# KiCad board main_MagicAlonso-rounded.kicad_pcb (continued)
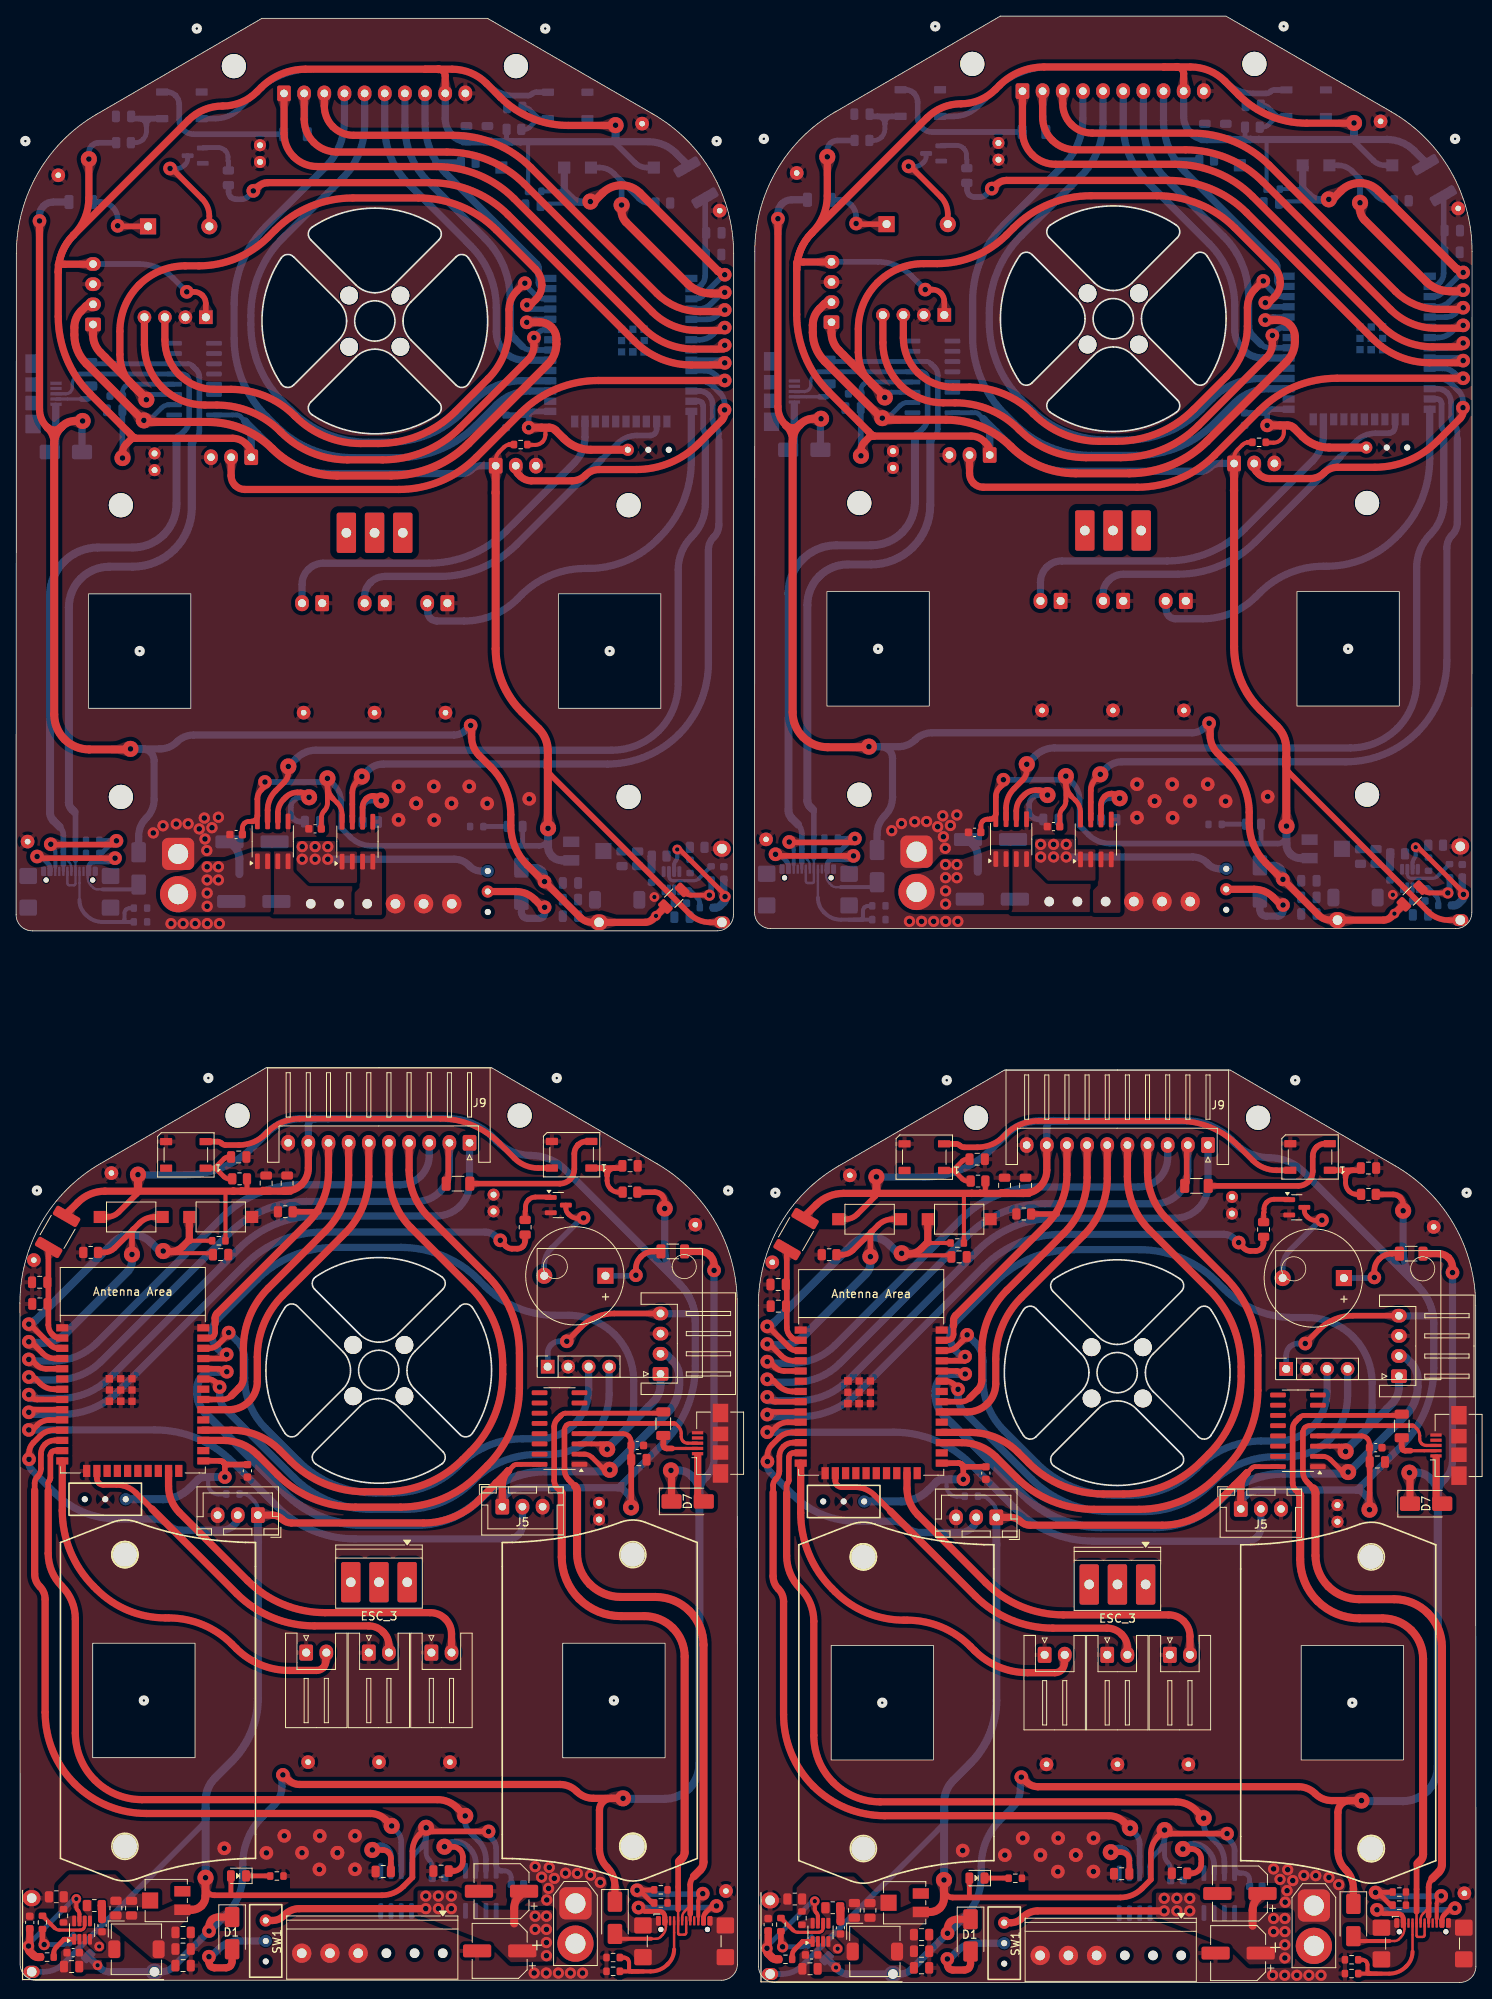
[diagram p0: board, top side]
## Routing (per net, layer and track width the routed paths; a pad name or vN(x,y) marks a point on that pad's centre or on a via; arc(x,y) is an arc through that point) (continued)
/SCL: length 272.8
  Top w0.7: v1(118,80.38) 118,80.29 arc(117.98,80.21) 117.94,80.14 116.72,78.92 arc(116.18,78.56) 115.54,78.43 U1.36 ; U1#2.36 23.91,78.71 arc(24.55,78.83) 25.09,79.2 26.31,80.42 arc(26.36,80.48) 26.37,80.57 v1(26.37,80.65)
  Top w0.9: J2#3.3 110.08,204.12 arc(110.55,201.77) 111.88,199.79 arc(113.87,198.46) 116.21,197.99 118.29,197.99 arc(122.55,197.14) 126.16,194.73 126.26,194.63 arc(129.99,192.14) 134.38,191.27 136.51,191.27 arc(141.72,192.3) 146.13,195.25 150.18,199.3 arc(152.1,202.17) 152.77,205.56 152.77,207.84 arc(153.03,209.12) 153.75,210.19 154.71,211.15 arc(154.72,211.16) 154.73,211.17 v1(154.75,211.17) ; 18.46,206.66 18.46,203.84 arc(18.93,201.5) 20.26,199.51 arc(22.24,198.18) 24.59,197.71 26.66,197.71 arc(30.92,196.86) 34.54,194.45 34.64,194.35 arc(38.36,191.86) 42.76,190.99 44.89,190.99 arc(50.1,192.02) 54.51,194.97 58.56,199.02 arc(60.48,201.89) 61.15,205.28 61.15,207.57 arc(61.4,208.84) 62.12,209.91 63.08,210.88 arc(63.1,210.88) 63.11,210.89 v1(63.12,210.89)
  Bottom w0.7: U1#3.36 65.59,208.94 arc(64.95,209.07) 64.41,209.43 63.19,210.65 arc(63.14,210.72) 63.12,210.8 v1(63.12,210.89) ; U1#4.36 157.21,209.22 arc(156.57,209.35) 156.03,209.71 154.81,210.93 arc(154.76,211) 154.75,211.08 v1(154.75,211.17)
  Bottom w0.9: J2#2.3 162.66,73.33 arc(162.2,70.98) 160.87,69 arc(158.88,67.67) 156.54,67.2 154.46,67.2 arc(150.2,66.35) 146.59,63.94 146.49,63.84 arc(142.76,61.35) 138.37,60.47 136.23,60.47 arc(131.03,61.51) 126.61,64.46 122.57,68.51 arc(120.65,71.38) 119.97,74.76 119.97,77.05 arc(119.72,78.33) 119,79.4 118.04,80.36 arc(118.03,80.37) 118.01,80.38 v1(118,80.38) ; J2.3 71.04,73.61 arc(70.57,71.26) 69.24,69.27 arc(67.26,67.94) 64.91,67.48 62.84,67.48 arc(58.58,66.63) 54.96,64.22 54.86,64.12 arc(51.14,61.63) 46.74,60.75 44.61,60.75 arc(39.4,61.79) 34.99,64.74 30.94,68.79 arc(29.02,71.66) 28.35,75.04 28.35,77.33 arc(28.1,78.6) 27.38,79.68 26.42,80.64 arc(26.4,80.65) 26.39,80.65 v1(26.37,80.65)
/SDA: length 268.3
  Top w0.7: v1(25.25,73.9) 25.25,73.94 arc(25.24,73.98) 25.22,74.02 24.73,74.5 arc(24.3,74.8) 23.78,74.9 U1#2.33 ; v1(116.87,73.62) 116.87,73.66 arc(116.87,73.71) 116.84,73.74 116.36,74.23 arc(115.92,74.52) 115.41,74.62 U1.33
  Top w0.9: J2#3.4 107.54,203.52 arc(108.11,200.66) 109.73,198.23 arc(112.16,196.61) 115.02,196.04 116.52,196.04 arc(120.77,195.19) 124.38,192.79 124.52,192.64 arc(128.29,190.12) 132.73,189.24 137.09,189.24 arc(142.29,190.28) 146.71,193.22 155.16,201.68 arc(155.69,202.47) 155.87,203.4 v1(155.87,204.41) ; 15.92,206.66 15.92,203.24 arc(16.49,200.38) 18.11,197.95 arc(20.54,196.33) 23.4,195.76 24.9,195.76 arc(29.15,194.92) 32.75,192.51 32.9,192.36 arc(36.67,189.85) 41.11,188.96 45.47,188.96 arc(50.67,190) 55.08,192.95 63.54,201.4 arc(64.06,202.19) 64.25,203.12 v1(64.25,204.13)
  Bottom w0.7: v1(155.87,204.41) 155.87,204.46 arc(155.88,204.5) 155.91,204.53 156.39,205.02 arc(156.83,205.31) 157.34,205.41 U1#4.33 ; 66.28,205.13 65.72,205.13 arc(65.2,205.03) 64.77,204.74 64.28,204.25 arc(64.26,204.22) 64.25,204.18 v1(64.25,204.13)
  Bottom w0.9: J2.4 73.58,73.01 arc(73.01,70.14) 71.39,67.72 arc(68.96,66.1) 66.1,65.53 64.6,65.53 arc(60.35,64.68) 56.75,62.28 56.6,62.13 arc(52.83,59.61) 48.39,58.73 44.03,58.73 arc(38.83,59.76) 34.42,62.71 25.96,71.16 arc(25.44,71.95) 25.25,72.89 v1(25.25,73.9) ; v1(116.87,73.62) 116.87,72.61 arc(117.06,71.68) 117.59,70.89 126.04,62.43 arc(130.45,59.49) 135.66,58.45 140.02,58.45 arc(144.46,59.33) 148.22,61.85 148.37,62 arc(151.97,64.4) 156.22,65.25 157.73,65.25 arc(160.59,65.82) 163.01,67.44 arc(164.63,69.87) 165.2,72.73 J2#2.4
/StepDown_2315/AAM: length 15.7
  Top w0.6: 97.58,5.09 98.77,5.09 ; R16#2.1 4.66,3.62 arc(4.75,4.04) 4.99,4.4 5.93,5.34 arc(5.95,5.35) 5.98,5.36 6.01,5.36 ; 5.96,5.37 7.15,5.37 ; R16.1 96.29,3.34 arc(96.37,3.76) 96.61,4.12 97.55,5.06 arc(97.58,5.07) 97.6,5.08 97.63,5.08
  Bottom w0.6: R16#3.1 176.46,134.13 arc(176.37,134.55) 176.14,134.91 175.19,135.85 arc(175.17,135.86) 175.14,135.87 175.11,135.87 ; R16#4.1 84.84,133.85 arc(84.75,134.27) 84.51,134.63 83.57,135.57 arc(83.55,135.59) 83.52,135.59 83.49,135.59 ; 83.54,135.6 82.35,135.6 ; 175.16,135.88 173.97,135.88
/TX: length 367.4
  Top w0.6: v2(165.27,63.35) 164.95,63.35 arc(164.65,63.41) 164.39,63.58 163.09,64.89 arc(162.63,65.19) 162.1,65.29 U4#2.2 ; v2(73.65,63.63) 73.32,63.63 arc(73.02,63.69) 72.77,63.86 71.46,65.16 arc(71.01,65.47) 70.48,65.57 U4.2
  Top w0.7: v1(26.14,75.8) 25.92,75.8 arc(25.72,75.84) 25.54,75.95 25.51,75.98 arc(25.31,76.12) 25.07,76.17 U1#2.34 ; v1(117.76,75.52) 117.54,75.52 arc(117.34,75.56) 117.17,75.68 117.14,75.7 arc(116.93,75.84) 116.69,75.89 U1.34
  Top w1: J14#3.2 100.85,208.54 arc(100.55,208.48) 100.3,208.31 99.69,207.7 arc(99.07,206.78) 98.85,205.68 98.85,204.77 arc(99.23,202.83) 100.33,201.18 107.34,194.18 arc(107.38,194.15) 107.42,194.14 v2(107.47,194.14) 107.57,194.04 arc(107.68,193.97) 107.82,193.94 115.4,193.94 arc(119.74,193.08) 123.42,190.62 arc(127.11,188.15) 131.45,187.29 138.14,187.29 arc(143.34,188.33) 147.76,191.27 157.63,201.15 arc(158.4,202.29) 158.66,203.64 158.66,204.23 arc(158.51,205.02) 158.05,205.7 arc(157.38,206.15) 156.58,206.31 v1(154.98,206.31) ; v1(63.36,206.03) 64.96,206.03 arc(65.75,205.87) 66.43,205.42 arc(66.88,204.75) 67.04,203.95 67.04,203.36 arc(66.77,202.01) 66.01,200.87 56.13,191 arc(51.72,188.05) 46.52,187.01 39.83,187.01 arc(35.48,187.88) 31.8,190.34 arc(28.12,192.8) 23.77,193.66 16.19,193.66 arc(16.06,193.69) 15.95,193.76 v2(15.85,193.86) 15.8,193.86 arc(15.75,193.87) 15.71,193.9 8.71,200.9 arc(7.61,202.55) 7.22,204.49 7.22,205.4 arc(7.44,206.5) 8.06,207.42 8.67,208.03 arc(8.92,208.2) 9.22,208.26 J14#4.2
  Bottom w0.6: v2(107.47,194.14) 107.8,194.14 arc(108.1,194.2) 108.35,194.37 109.66,195.68 arc(110.11,195.98) 110.65,196.09 U4#3.2 ; v2(15.85,193.86) 16.17,193.86 arc(16.48,193.92) 16.73,194.09 18.04,195.4 arc(18.49,195.7) 19.02,195.81 U4#4.2
  Bottom w0.7: v1(154.98,206.31) 155.2,206.31 arc(155.41,206.35) 155.58,206.47 155.61,206.5 arc(155.81,206.63) 156.06,206.68 U1#4.34 ; v1(63.36,206.03) 63.58,206.03 arc(63.78,206.07) 63.96,206.19 63.98,206.22 arc(64.19,206.35) 64.43,206.4 U1#3.34
  Bottom w1: J14#2.2 80.28,78.03 arc(80.58,77.97) 80.83,77.8 81.44,77.19 arc(82.06,76.26) 82.27,75.17 82.27,74.25 arc(81.89,72.31) 80.79,70.67 73.79,63.66 arc(73.75,63.64) 73.7,63.63 v2(73.65,63.63) 73.55,63.53 arc(73.44,63.45) 73.31,63.43 65.73,63.43 arc(61.38,62.56) 57.7,60.1 arc(54.02,57.64) 49.67,56.78 42.98,56.78 arc(37.78,57.81) 33.37,60.76 23.49,70.64 arc(22.73,71.78) 22.46,73.12 22.46,73.72 arc(22.62,74.51) 23.07,75.19 arc(23.75,75.64) 24.54,75.8 v1(26.14,75.8) ; J14.2 171.9,77.75 arc(172.2,77.69) 172.45,77.52 173.06,76.91 arc(173.68,75.98) 173.9,74.89 173.9,73.97 arc(173.51,72.03) 172.41,70.39 165.41,63.39 arc(165.37,63.36) 165.32,63.35 v2(165.27,63.35) 165.17,63.25 arc(165.06,63.18) 164.93,63.15 157.35,63.15 arc(153.01,62.29) 149.32,59.82 arc(145.64,57.36) 141.3,56.5 134.61,56.5 arc(129.4,57.54) 124.99,60.48 115.11,70.36 arc(114.35,71.5) 114.08,72.84 114.08,73.44 arc(114.24,74.23) 114.69,74.91 arc(115.37,75.36) 116.17,75.52 v1(117.76,75.52)
/Vb: length 794.2
  Top w0.6: v4(177.64,135.22) 175.37,135.22 arc(174.95,135.31) 174.58,135.55 REF**#4.2 ; v4(86.02,134.94) 83.75,134.94 arc(83.32,135.03) 82.96,135.27 REF**#10.2
  Top w0.7: 157.14,136.9 v1(157.19,136.9) ; 65.51,136.62 v1(65.56,136.62) ; v4(3.48,4.71) 3.37,4.81 arc(3.3,4.93) 3.27,5.07 R15#2.2 ; v4(95.1,4.43) 95,4.54 arc(94.92,4.65) 94.89,4.79 R15.2
  Top w0.9: D1.1 116.69,7.85 arc(116.26,7.76) 115.89,7.52 arc(115.65,7.15) 115.56,6.72 v1(115.56,6.11) ; v1(178.22,88.1) 178.22,88.78 arc(178.1,89.4) 177.75,89.93 177.72,89.95 arc(177.17,90.32) 176.52,90.45 R4.2 ; v1(2.9,218.61) 2.9,195.25 arc(3.14,194.06) 3.81,193.05 3.9,192.96 arc(4.51,192.05) 4.72,190.97 ; D6#2.1 165.92,11.69 arc(165.67,12.95) 164.96,14.01 arc(164.25,15.07) 164,16.33 164,21.12 arc(164.43,22.15) 165.47,22.58 v2(166.93,22.58) 163.26,22.58 arc(162.14,22.8) 161.18,23.44 arc(160.23,24.08) 159.11,24.3 126.81,24.3 arc(126.03,24.45) 125.37,24.9 124.79,25.47 arc(124.77,25.49) 124.75,25.49 v1(124.72,25.49) ; D6.1 74.3,11.97 arc(74.05,13.22) 73.34,14.29 arc(72.63,15.35) 72.38,16.61 72.38,21.39 arc(72.81,22.43) 73.84,22.86 v2(75.31,22.86) 71.64,22.86 arc(70.51,23.08) 69.56,23.72 arc(68.61,24.35) 67.48,24.58 35.18,24.58 arc(34.4,24.73) 33.74,25.17 33.17,25.75 arc(33.15,25.76) 33.12,25.77 v1(33.1,25.77) ; R4#2.2 84.89,90.73 arc(85.55,90.6) 86.1,90.23 86.12,90.21 arc(86.48,89.68) 86.6,89.05 v1(86.6,88.38) ; v3(79.39,132.37) 78.99,131.97 arc(78.54,131.67) 78.02,131.57 71.47,131.57 arc(70.68,131.72) 70.01,132.17 v1(65.56,136.62) ; D7.1 172.95,63.15 arc(172.94,63.2) 172.91,63.24 v2(172.87,63.28) ; v1(23.94,6.39) 23.94,7 arc(24.02,7.43) 24.27,7.8 arc(24.64,8.04) 25.07,8.13 D1#2.1 ; v1(94.52,218.89) 94.52,195.53 arc(94.76,194.34) 95.44,193.33 95.52,193.24 arc(96.13,192.33) 96.35,191.25 ; v1(56.4,156) 56.46,155.94 arc(56.5,155.88) 56.52,155.8 56.52,154.55 arc(56.76,153.32) 57.46,152.28 58.95,150.79 arc(60.74,148.1) 61.38,144.93 61.38,143.6 arc(61.91,140.93) 63.42,138.67 65.43,136.66 arc(65.47,136.63) 65.51,136.62 ; v2(81.25,63.55) 81.29,63.52 arc(81.32,63.47) 81.32,63.42 D7#2.1 ; v1(157.19,136.9) 161.64,132.45 arc(162.31,132) 163.1,131.85 169.64,131.85 arc(170.17,131.95) 170.61,132.25 v3(171.02,132.65) ; v1(148.02,156.28) 148.08,156.22 arc(148.13,156.15) 148.14,156.08 148.14,154.83 arc(148.39,153.6) 149.09,152.55 150.57,151.07 arc(152.37,148.38) 153,145.21 153,143.88 arc(153.53,141.21) 155.04,138.95 157.05,136.94 arc(157.09,136.91) 157.14,136.9 ; REF**#10.1 79.42,132.38 arc(79.41,132.37) 79.4,132.37 ; REF**#4.1 171.04,132.66 arc(171.03,132.65) 171.03,132.65
  Top w1: 5.55,192.96 5.71,193.12 arc(6.45,193.62) 7.31,193.79 v2(8.25,193.79) ; 5.55,192.96 arc(4.72,192.62) 3.9,192.96 ; 5.55,192.96 arc(4.94,192.05) 4.72,190.97 4.72,157.37 arc(5.06,155.7) 6,154.29 arc(7.41,153.35) 9.07,153.02 14.07,153.02 arc(14.12,153.03) 14.15,153.06 v2(14.19,153.09) ; 171.03,132.65 v3(171.02,132.65) 171.02,132.72 ; 79.39,132.44 v3(79.39,132.37) 79.4,132.37 ; v2(105.81,153.37) 105.78,153.34 arc(105.74,153.31) 105.69,153.3 100.69,153.3 arc(99.03,153.63) 97.62,154.57 arc(96.68,155.98) 96.35,157.64 96.35,191.25 arc(96.56,192.33) 97.17,193.24 ; v2(99.87,194.07) 98.94,194.07 arc(98.07,193.89) 97.34,193.4 97.17,193.24 ; 97.17,193.24 arc(96.35,192.9) 95.52,193.24
  Bottom w0.6: v4(3.48,4.71) 5.75,4.71 arc(6.18,4.79) 6.54,5.04 REF**#18.2 ; v4(95.1,4.43) 97.37,4.43 arc(97.8,4.52) 98.16,4.76 REF**#19.2
  Bottom w0.7: R15#4.2 177.85,135.58 arc(177.83,135.44) 177.75,135.33 v4(177.64,135.22) ; 23.99,6.39 v1(23.94,6.39) ; 115.61,6.11 v1(115.56,6.11) ; v4(86.02,134.94) 86.12,135.05 arc(86.2,135.16) 86.23,135.3 R15#3.2
  Bottom w0.9: REF**#19.1 101.71,1.87 arc(101.71,1.86) 101.72,1.86 ; v2(99.87,194.07) 99.84,194.03 arc(99.81,193.99) 99.8,193.94 D7#4.1 ; v1(157.19,136.9) 157.19,137.51 arc(157.1,137.94) 156.85,138.31 arc(156.49,138.55) 156.06,138.64 D1#4.1 ; v1(94.52,218.89) 94.52,219.57 arc(94.65,220.19) 95,220.72 95.02,220.74 arc(95.58,221.11) 96.23,221.24 R4#3.2 ; v1(33.1,25.77) 33.04,25.71 arc(33,25.64) 32.98,25.56 32.98,24.32 arc(32.73,23.08) 32.04,22.04 30.55,20.56 arc(28.76,17.87) 28.12,14.69 28.12,13.37 arc(27.59,10.7) 26.08,8.43 24.07,6.42 arc(24.03,6.4) 23.99,6.39 ; v3(101.73,1.86) 102.13,1.46 arc(102.58,1.16) 103.11,1.06 109.65,1.06 arc(110.44,1.21) 111.11,1.66 v1(115.56,6.11) ; v1(65.56,136.62) 65.56,137.23 arc(65.48,137.67) 65.23,138.03 arc(64.86,138.28) 64.43,138.36 D1#3.1 ; v2(8.25,193.79) 8.21,193.75 arc(8.18,193.71) 8.17,193.66 D7#3.1 ; v1(148.02,156.28) 148,156.28 arc(147.98,156.28) 147.96,156.26 147.38,155.69 arc(146.72,155.24) 145.94,155.09 113.64,155.09 arc(112.52,154.87) 111.56,154.23 arc(110.61,153.59) 109.49,153.37 v2(105.81,153.37) 107.28,153.37 arc(108.31,152.94) 108.74,151.91 108.74,147.12 arc(108.49,145.86) 107.78,144.8 arc(107.07,143.74) 106.82,142.48 D6#3.1 ; v1(86.6,88.38) 86.6,65.02 arc(86.36,63.83) 85.69,62.82 85.6,62.73 arc(84.99,61.81) 84.77,60.74 ; v1(56.4,156) 56.38,156 arc(56.35,156) 56.33,155.98 55.75,155.41 arc(55.1,154.97) 54.32,154.81 22.02,154.81 arc(20.89,154.59) 19.94,153.95 arc(18.99,153.32) 17.86,153.09 v2(14.19,153.09) 15.65,153.09 arc(16.69,152.66) 17.12,151.63 17.12,146.84 arc(16.87,145.59) 16.16,144.52 arc(15.45,143.46) 15.2,142.2 D6#4.1 ; v1(2.9,218.61) 2.9,219.29 arc(3.02,219.91) 3.38,220.44 3.4,220.46 arc(3.95,220.83) 4.61,220.96 R4#4.2 ; v1(178.22,88.1) 178.22,64.74 arc(177.99,63.55) 177.31,62.54 177.22,62.45 arc(176.61,61.54) 176.4,60.46 ; REF**#18.1 10.08,2.14 arc(10.09,2.14) 10.1,2.14 ; v1(124.72,25.49) 124.66,25.43 arc(124.62,25.36) 124.6,25.29 124.6,24.04 arc(124.36,22.81) 123.66,21.76 122.18,20.28 arc(120.38,17.59) 119.75,14.42 119.75,13.09 arc(119.22,10.42) 117.7,8.16 115.69,6.15 arc(115.66,6.12) 115.61,6.11 ; v3(10.11,2.14) 10.51,1.74 arc(10.96,1.44) 11.48,1.33 18.03,1.33 arc(18.82,1.49) 19.49,1.94 v1(23.94,6.39)
  Bottom w1: 83.95,62.73 83.79,62.89 arc(83.05,63.38) 82.19,63.55 v2(81.25,63.55) ; 83.95,62.73 arc(84.77,62.39) 85.6,62.73 ; 83.95,62.73 arc(84.56,61.81) 84.77,60.74 84.77,27.13 arc(84.44,25.47) 83.5,24.06 arc(82.09,23.12) 80.43,22.79 75.43,22.79 arc(75.38,22.8) 75.34,22.82 v2(75.31,22.86) ; v2(172.87,63.28) 173.81,63.28 arc(174.68,63.1) 175.41,62.61 175.57,62.45 ; 10.1,2.14 v3(10.11,2.14) 10.11,2.21 ; 175.57,62.45 arc(176.18,61.54) 176.4,60.46 176.4,26.85 arc(176.07,25.19) 175.13,23.78 arc(173.72,22.84) 172.05,22.51 167.05,22.51 arc(167.01,22.52) 166.97,22.54 v2(166.93,22.58) ; 175.57,62.45 arc(176.4,62.11) 177.22,62.45 ; 101.73,1.93 v3(101.73,1.86) 101.72,1.86
/VM: length 98.8
  Top w0.9: SW1#2.1 31.8,7.7 arc(32.56,7.85) 33.2,8.28 33.35,8.43 arc(34.17,8.98) 35.13,9.17 v4(50.83,9.17) ; v4(142.45,8.89) 126.75,8.89 arc(125.79,8.7) 124.98,8.16 124.83,8 arc(124.18,7.57) 123.42,7.42 SW1.1
  Top w1: C2#2.1 62.41,10.72 arc(61.96,10.04) 61.8,9.24 61.8,7.33 ; C2.1 154.04,10.44 arc(153.58,9.76) 153.42,8.96 153.42,7.05
  Bottom w0.9: v4(130.29,139.68) 145.99,139.68 arc(146.95,139.49) 147.77,138.95 147.92,138.79 arc(148.57,138.36) 149.33,138.21 SW1#3.1 ; SW1#4.1 57.7,137.93 arc(56.94,138.08) 56.3,138.51 56.15,138.67 arc(55.33,139.21) 54.37,139.4 v4(38.67,139.4)
  Bottom w1: 27.7,137.56 27.7,139.47 arc(27.54,140.27) 27.09,140.95 C2#3.1 ; C2#4.1 118.71,141.23 arc(119.16,140.55) 119.32,139.75 119.32,137.84
  vias: v4(23.7,138.46) v4(23.7,136.83) v4(23.7,135.2) v4(23.7,133.56) v4(25.1,138.46) v4(25.1,136.83) v4(35.5,140.96) v4(35.5,139.4) v4(37.1,140.96) v4(37.1,139.4) v4(38.67,140.96) v4(50.83,10.73) v4(52.4,10.73) v4(52.4,9.17) v4(54,10.73) v4(54,9.17) v4(64.4,8.23) v4(64.4,6.59) v4(65.8,8.23) v4(65.8,6.59) v4(65.8,4.96) v4(65.8,3.33) v4(115.32,138.74) v4(115.32,137.11) v4(115.32,135.47) v4(115.32,133.84) v4(116.72,138.74) v4(116.72,137.11) v4(127.12,141.24) v4(127.12,139.68) v4(128.72,141.24) v4(128.72,139.68) v4(130.29,141.24) v4(142.45,10.45) v4(144.02,10.45) v4(144.02,8.89) v4(145.62,10.45) v4(145.62,8.89) v4(156.02,7.95) v4(156.02,6.32) v4(157.42,7.95) v4(157.42,6.32) v4(157.42,4.68) v4(157.42,3.05)
Net-(BZ1-+): length 35.7
  Top w0.7: R4.1 170.7,90.45 arc(169.87,90.28) 169.16,89.81 169.12,89.77 arc(168.68,89.11) 168.52,88.34 v1(168.52,87.5) ; v1(76.9,87.78) 76.9,88.62 arc(77.05,89.39) 77.49,90.05 77.54,90.09 arc(78.24,90.56) 79.08,90.73 R4#2.1 ; BZ1#4.1 12.73,217.94 arc(12.68,217.95) 12.64,217.97 v1(12.6,218.01) ; BZ1#3.1 104.35,218.22 arc(104.3,218.23) 104.26,218.25 v1(104.22,218.29)
  Bottom w0.7: v1(76.9,87.78) 76.86,87.74 arc(76.82,87.71) 76.77,87.7 BZ1.1 ; v1(168.52,87.5) 168.49,87.46 arc(168.44,87.43) 168.4,87.43 BZ1#2.1 ; R4#3.1 102.05,221.24 arc(102.88,221.07) 103.59,220.6 103.63,220.56 arc(104.07,219.9) 104.22,219.13 v1(104.22,218.29) ; R4#4.1 10.42,220.96 arc(11.26,220.8) 11.96,220.32 12.01,220.28 arc(12.45,219.62) 12.6,218.85 v1(12.6,218.01)
Net-(BZ1--): length 50.4
  Top w0.6: Q1.3 68.21,96.08 arc(68.28,95.72) 68.49,95.41 68.63,95.27 arc(69.1,94.96) 69.65,94.85 70.33,94.85 arc(70.36,94.85) 70.38,94.87 v1(70.4,94.89) ; BZ1.2 65.7,87.7 ; BZ1#2.2 157.32,87.43 ; v1(162.02,94.61) 162,94.59 arc(161.98,94.58) 161.96,94.57 161.27,94.57 arc(160.72,94.68) 160.26,94.99 160.11,95.13 arc(159.91,95.44) 159.84,95.81 Q1#2.3
  Top w0.7: v1(19.1,225.12) 19.21,225.12 arc(19.31,225.1) 19.39,225.05 23.08,221.36 arc(23.74,220.37) 23.98,219.2 BZ1#4.2 ; v1(110.72,225.4) 110.83,225.4 arc(110.93,225.38) 111.01,225.32 114.71,221.63 arc(115.37,220.64) 115.6,219.48 BZ1#3.2
  Bottom w0.6: BZ1#3.2 115.42,218.22 ; Q1#3.3 21.29,226.32 arc(21.22,225.95) 21.01,225.65 20.87,225.5 arc(20.4,225.19) 19.85,225.08 19.17,225.08 arc(19.14,225.09) 19.12,225.1 v1(19.1,225.12) ; v1(110.72,225.4) 110.74,225.38 arc(110.77,225.37) 110.79,225.36 111.47,225.36 arc(112.02,225.47) 112.49,225.78 112.63,225.92 arc(112.84,226.23) 112.91,226.6 Q1#4.3 ; BZ1#4.2 23.8,217.94
  Bottom w0.7: v1(162.02,94.61) 161.92,94.61 arc(161.82,94.59) 161.73,94.53 158.04,90.84 arc(157.38,89.85) 157.15,88.69 BZ1#2.2 ; v1(70.4,94.89) 70.29,94.89 arc(70.19,94.87) 70.11,94.81 66.42,91.12 arc(65.76,90.13) 65.52,88.97 BZ1.2
Net-(C19-Pad1): length 6.9
  Top w1: C19#2.1 10.66,9.49 arc(10.65,9.51) 10.64,9.53 R14#2.1 ; C19.1 102.28,9.21 arc(102.28,9.24) 102.26,9.26 R14.1
  Bottom w1: R14#4.1 170.49,140.05 arc(170.47,140.03) 170.47,140 C19#4.1 ; R14#3.1 78.86,139.77 arc(78.85,139.75) 78.84,139.72 C19#3.1
Net-(D1-A): length 54.5
  Top w0.9: SW1#3.2 153.61,135.67 arc(154.89,135.42) 155.97,134.69 156.86,133.8 arc(156.96,133.74) 157.07,133.72 v1(157.2,133.72) ; D1#2.2 26.8,2.6 arc(26.74,2.3) 26.57,2.05 arc(26.33,1.89) 26.03,1.83 24.61,1.83 arc(24.35,1.88) 24.12,2.03 arc(23.98,2.25) 23.92,2.51 v1(23.92,3.2) ; v1(65.58,133.44) 65.45,133.44 arc(65.33,133.46) 65.24,133.53 64.35,134.41 arc(63.26,135.14) 61.99,135.39 SW1#4.2 ; v1(115.55,2.93) 115.55,2.23 arc(115.6,1.97) 115.75,1.75 arc(115.97,1.6) 116.23,1.55 117.66,1.55 arc(117.95,1.61) 118.2,1.77 arc(118.37,2.02) 118.42,2.32 D1.2
  Bottom w0.9: D1#3.2 62.7,132.83 arc(62.76,132.54) 62.92,132.29 arc(63.17,132.12) 63.47,132.06 64.89,132.06 arc(65.15,132.11) 65.38,132.26 arc(65.52,132.48) 65.58,132.75 v1(65.58,133.44) ; v1(115.55,2.93) 115.67,2.93 arc(115.79,2.95) 115.89,3.01 116.78,3.9 arc(117.86,4.63) 119.14,4.88 SW1.2 ; SW1#2.2 27.51,5.16 arc(26.24,4.9) 25.15,4.18 24.26,3.29 arc(24.17,3.23) 24.05,3.2 v1(23.92,3.2) ; D1#4.2 154.32,133.11 arc(154.38,132.81) 154.55,132.57 arc(154.8,132.4) 155.09,132.34 156.52,132.34 arc(156.78,132.39) 157,132.54 arc(157.15,132.76) 157.2,133.02 v1(157.2,133.72)
Net-(D2-K): length 12
  Top w0.6: D2.1 31.49,13.24 arc(31.5,13.23) 31.51,13.23 R1.1 ; R1#2.1 123.14,12.95 arc(123.13,12.96) 123.11,12.96 D2#2.1
  Bottom w0.6: D2#4.1 58.01,143.47 arc(58,143.47) 57.98,143.46 R1#3.1 ; R1#4.1 149.61,143.74 arc(149.62,143.75) 149.63,143.75 D2#3.1
Net-(D3-VDD): length 25.9
  Top w0.6: R5.1 118.06,99.46 arc(117.7,99.53) 117.4,99.73 116.39,100.74 ; C24.1 26.35,102.45 arc(26.05,102.39) 25.8,102.22 24.77,101.19 arc(24.74,101.15) 24.73,101.11 ; 116.3,100.78 D3#2.1 ; 116.3,100.78 arc(116.35,100.77) 116.39,100.74 ; 116.3,100.78 arc(116.34,100.79) 116.35,100.83 ; 24.77,101.02 25.78,100.01 arc(26.08,99.81) 26.43,99.74 R5#2.1 ; 24.77,101.02 arc(24.73,101.05) 24.68,101.06 ; 24.77,101.02 arc(24.74,101.06) 24.73,101.11 ; C24#2.1 117.97,102.18 arc(117.67,102.12) 117.42,101.95 116.39,100.92 arc(116.36,100.88) 116.35,100.83 ; 24.68,101.06 D3.1 ; 24.68,101.06 arc(24.72,101.07) 24.73,101.11 ; 116.39,100.74 arc(116.36,100.78) 116.35,100.83
  Bottom w0.6: R5#4.1 154.69,230.25 arc(155.04,230.32) 155.35,230.52 156.36,231.53 ; C24#3.1 63.15,232.69 arc(63.45,232.63) 63.7,232.46 64.73,231.43 arc(64.76,231.39) 64.77,231.34 ; 64.82,231.29 D3#3.1 ; 64.82,231.29 arc(64.77,231.28) 64.73,231.26 ; 64.82,231.29 arc(64.78,231.31) 64.77,231.34 ; 156.36,231.53 arc(156.38,231.57) 156.39,231.62 ; 156.36,231.53 arc(156.4,231.56) 156.44,231.57 ; R5#3.1 63.07,229.97 arc(63.42,230.04) 63.72,230.24 64.73,231.26 ; 64.73,231.26 arc(64.76,231.3) 64.77,231.34 ; 156.44,231.57 D3#4.1 ; 156.44,231.57 arc(156.41,231.58) 156.39,231.62 ; C24#4.1 154.77,232.97 arc(155.07,232.91) 155.33,232.74 156.36,231.71 arc(156.38,231.67) 156.39,231.62
Net-(D5-VDD): length 41.2
  Top w0.6: 75.24,98.09 74.71,98.09 arc(74.2,98.19) 73.77,98.48 73.74,98.5 arc(73.44,98.96) 73.33,99.5 73.33,100.18 arc(73.07,100.82) 72.43,101.08 ; 166.86,97.81 166.33,97.81 arc(165.83,97.91) 165.4,98.2 165.37,98.22 arc(165.06,98.68) 164.95,99.23 164.95,99.9 arc(164.69,100.54) 164.06,100.8
  Top w0.7: 75.28,98.11 75.27,98.1 arc(75.26,98.09) 75.24,98.09 ; 166.91,97.84 166.89,97.82 arc(166.88,97.81) 166.86,97.81 ; 165.85,100.8 166.64,100.8 arc(166.74,100.82) 166.82,100.88 166.9,100.95 ; 165.85,100.8 D5#2.1 ; 165.85,100.8 arc(165.22,100.54) 164.95,99.9 ; 75.28,101.3 C26.1 ; 74.23,101.08 D5.1 ; 74.23,101.08 75.02,101.08 arc(75.12,101.1) 75.2,101.15 75.27,101.23 ; 74.23,101.08 arc(73.59,100.82) 73.33,100.18 ; 166.91,101.02 C26#2.1
  Bottom w0.6: 14.26,228.32 14.79,228.32 arc(15.3,228.42) 15.73,228.71 15.76,228.74 arc(16.06,229.2) 16.17,229.74 16.17,230.41 arc(16.43,231.05) 17.07,231.31 ; 105.88,228.6 106.42,228.6 arc(106.92,228.7) 107.35,228.99 107.38,229.02 arc(107.69,229.47) 107.79,230.02 107.79,230.69 arc(108.06,231.33) 108.69,231.59
  Bottom w0.7: 105.85,231.74 105.92,231.67 arc(106.01,231.61) 106.1,231.59 106.9,231.59 ; 106.9,231.59 D5#4.1 ; 106.9,231.59 arc(107.53,231.33) 107.79,230.69 ; 14.22,228.35 14.23,228.33 arc(14.24,228.33) 14.26,228.32 ; 14.22,231.53 C26#3.1 ; 15.27,231.31 D5#3.1 ; 15.27,231.31 14.48,231.31 arc(14.38,231.33) 14.3,231.39 14.22,231.46 ; 15.27,231.31 arc(15.91,231.05) 16.17,230.41 ; 105.84,231.81 C26#4.1 ; 105.84,228.63 105.85,228.61 arc(105.87,228.6) 105.88,228.6
Net-(Q1-G): length 21.9
  Top w0.6: R8#2.1 63.16,95.74 arc(63.17,95.78) 63.18,95.8 arc(63.2,95.83) 63.21,95.86 63.21,96.3 arc(63.3,96.73) 63.54,97.09 63.57,97.12 arc(63.96,97.39) 64.43,97.48 66.25,97.48 arc(66.28,97.47) 66.31,97.45 Q1.1 ; Q1#2.1 157.94,97.18 arc(157.91,97.19) 157.88,97.2 156.05,97.2 arc(155.59,97.11) 155.19,96.84 155.16,96.82 arc(154.92,96.45) 154.83,96.02 154.83,95.59 arc(154.83,95.55) 154.81,95.53 arc(154.79,95.5) 154.78,95.46 R8.1
  Bottom w0.6: R8#4.1 26.34,225.98 arc(26.33,226.01) 26.31,226.04 arc(26.3,226.07) 26.29,226.1 26.29,226.53 arc(26.2,226.96) 25.96,227.33 25.93,227.35 arc(25.54,227.62) 25.07,227.71 23.25,227.71 arc(23.22,227.71) 23.19,227.69 23.16,227.66 ; R8#3.1 117.96,226.25 arc(117.96,226.29) 117.94,226.32 arc(117.92,226.34) 117.91,226.38 117.91,226.81 arc(117.83,227.24) 117.58,227.61 117.56,227.63 arc(117.16,227.9) 116.69,227.99 114.87,227.99 arc(114.84,227.98) 114.81,227.97 Q1#4.1
Net-(ST1-EN/SYNC): length 27.4
  Top w0.4: R15.1 94.89,8 arc(94.89,8) 94.9,8 ; R15#2.1 3.27,8.28 arc(3.27,8.28) 3.27,8.28 ; ST1#2.6 8.51,7.05 arc(8.47,6.84) 8.35,6.67 arc(8.17,6.55) 7.97,6.51 5.39,6.51 arc(5.07,6.57) 4.79,6.76 ; ST1.6 100.13,6.77 arc(100.09,6.56) 99.97,6.39 arc(99.8,6.27) 99.59,6.23 97.01,6.23 arc(96.69,6.29) 96.42,6.48
  Top w0.5: 94.9,8 96.42,6.48 ; 3.27,8.28 4.79,6.76
  Bottom w0.4: R15#3.1 86.23,138.51 arc(86.23,138.51) 86.23,138.51 ; ST1#4.6 80.99,137.28 arc(81.03,137.08) 81.15,136.9 arc(81.33,136.78) 81.53,136.74 84.11,136.74 arc(84.43,136.81) 84.71,136.99 ; ST1#3.6 172.62,137.56 arc(172.66,137.35) 172.77,137.18 arc(172.95,137.06) 173.16,137.02 175.73,137.02 arc(176.06,137.08) 176.33,137.27 ; R15#4.1 177.85,138.79 arc(177.85,138.79) 177.85,138.79
  Bottom w0.5: 86.23,138.51 84.71,136.99 ; 177.85,138.79 176.33,137.27
Net-(U2-FILTER): length 50.3
  Top w0.7: v2(144.77,16.57) 145.81,16.57 arc(146.28,16.48) 146.69,16.21 arc(146.95,15.81) 147.05,15.34 147.05,14.74 arc(146.96,14.29) 146.7,13.9 arc(146.31,13.64) 145.85,13.55 C9#2.1 ; v2(127.97,147.37) 127.67,147.67 arc(127.34,147.89) 126.94,147.97 126.52,147.97 arc(125.74,147.82) 125.08,147.37 124.81,147.1 arc(124.28,146.31) 124.1,145.38 U2.6 ; v2(53.15,16.85) 54.19,16.85 arc(54.66,16.76) 55.06,16.49 arc(55.33,16.09) 55.42,15.62 55.42,15.02 arc(55.33,14.57) 55.07,14.18 arc(54.69,13.92) 54.23,13.83 C9.1 ; v2(36.35,147.09) 36.05,147.39 arc(35.71,147.61) 35.32,147.69 34.9,147.69 arc(34.12,147.54) 33.46,147.09 33.19,146.83 arc(32.66,146.04) 32.48,145.1 32.48,144.09
  Bottom w0.7: C9#4.1 35.27,144.06 arc(34.81,144.15) 34.43,144.41 arc(34.17,144.8) 34.08,145.26 34.08,145.85 arc(34.17,146.32) 34.44,146.72 arc(34.84,146.99) 35.31,147.09 v2(36.35,147.09) ; v2(127.97,147.37) 126.94,147.37 arc(126.46,147.27) 126.06,147 arc(125.79,146.6) 125.7,146.13 125.7,145.54 arc(125.79,145.08) 126.05,144.69 arc(126.44,144.43) 126.89,144.34 C9#3.1 ; U2#4.6 57.02,14.87 arc(56.84,15.8) 56.31,16.59 56.04,16.86 arc(55.38,17.3) 54.6,17.46 54.18,17.46 arc(53.79,17.38) 53.45,17.16 v2(53.15,16.85) ; v2(144.77,16.57) 145.08,16.88 arc(145.41,17.1) 145.81,17.18 146.22,17.18 arc(147,17.02) 147.67,16.58 147.93,16.31 arc(148.46,15.52) 148.65,14.59 U2#3.6
Net-(U3-FILTER): length 38.7
  Top w0.7: v2(136.92,146.97) 136.64,147.25 arc(136.32,147.47) 135.94,147.54 135.89,147.54 arc(135.46,147.46) 135.1,147.21 135.02,147.13 arc(134.71,146.68) 134.61,146.15 U3.6 ; C10#2.1 138.12,15.16 arc(138.05,15.55) 137.83,15.88 arc(137.5,16.1) 137.11,16.18 v2(135.82,16.18) ; C10.1 46.5,15.44 arc(46.42,15.83) 46.2,16.16 arc(45.87,16.38) 45.48,16.45 v2(44.2,16.45) ; v2(45.3,146.69) 45.01,146.97 arc(44.69,147.19) 44.32,147.26 44.26,147.26 arc(43.84,147.18) 43.47,146.94 43.39,146.85 arc(43.09,146.4) 42.98,145.87 U3#2.6
  Bottom w0.7: v2(45.3,146.69) 44.02,146.69 arc(43.63,146.61) 43.3,146.39 arc(43.08,146.06) 43,145.67 C10#4.1 ; U3#3.6 138.14,15.36 arc(138.03,15.89) 137.73,16.34 137.65,16.42 arc(137.29,16.67) 136.86,16.75 136.81,16.75 arc(136.43,16.68) 136.11,16.46 v2(135.82,16.18) ; U3#4.6 46.51,15.64 arc(46.41,16.17) 46.11,16.62 46.03,16.7 arc(45.66,16.94) 45.24,17.03 45.18,17.03 arc(44.81,16.95) 44.49,16.74 v2(44.2,16.45) ; C10#3.1 134.62,145.95 arc(134.7,146.34) 134.92,146.67 arc(135.25,146.89) 135.64,146.97 v2(136.92,146.97)
unconnected-(D5-DOUT-Pad2): length 75.6
  Top w0.7: REF**#8.1 159.09,98.86 arc(159.78,99) 160.36,99.38 arc(160.75,99.97) 160.88,100.65 160.88,102.56 arc(161,103.15) 161.33,103.65 161.35,103.67 arc(161.83,103.99) 162.39,104.1 D5#2.2 ; REF**#7.1 67.47,99.14 arc(68.15,99.27) 68.73,99.66 arc(69.12,100.24) 69.26,100.93 69.26,102.84 arc(69.38,103.43) 69.71,103.93 69.73,103.95 arc(70.21,104.27) 70.77,104.38 D5.2
  Bottom w0.7: D5#3.2 18.73,234.61 arc(19.29,234.5) 19.77,234.18 19.79,234.16 arc(20.12,233.66) 20.24,233.08 20.24,231.16 arc(20.38,230.48) 20.77,229.9 arc(21.35,229.51) 22.03,229.37 REF**#14.1 ; REF**#12.1 113.66,229.65 arc(112.97,229.79) 112.39,230.18 arc(112,230.76) 111.86,231.44 111.86,233.35 arc(111.75,233.94) 111.41,234.44 111.39,234.46 arc(110.92,234.78) 110.36,234.89 D5#4.2

## Copper pours and planes (outline as drawn; the poured copper is in the pictures)
+3.3V on Top: 110.05,2.66 110.88,2.12 111.89,2.11 111.92,6.68 113.25,8.1 113.25,9.4 111.25,9.4 109.3,8.55 103.15,8.55 103.15,7.25 108.51,2.66
+3.3V on Top: 18.43,2.94 19.26,2.4 20.27,2.38 20.3,6.95 21.63,8.38 21.63,9.68 19.62,9.68 17.67,8.83 11.53,8.83 11.53,7.53 16.89,2.94
+3.3V on Bottom: 71.07,133.17 70.24,132.63 69.23,132.62 69.2,137.19 67.87,138.61 67.87,139.91 69.88,139.91 71.83,139.06 77.97,139.06 77.97,137.76 72.61,133.17
+3.3V on Bottom: 162.69,133.45 161.86,132.91 160.86,132.9 160.82,137.47 159.5,138.89 159.5,140.19 161.5,140.19 163.45,139.34 169.6,139.34 169.6,138.04 164.24,133.45
GND on Top: 8.91,6.03 9.71,6.03 10.96,4.78 10.96,4.18 10.61,3.83 9.81,3.83 8.91,4.73
GND on Top: 100.53,5.75 101.33,5.75 102.58,4.5 102.58,3.9 102.23,3.55 101.43,3.55 100.53,4.45
GND on Top, Bottom: 75.07,129.08 75.07,253.24 195.8,253.24 195.8,129.08
GND on Top, Bottom: 106.05,-1.43 106.05,122.73 -14.68,122.73 -14.68,-1.43
GND on Top, Bottom: -16.55,128.8 -16.55,252.96 104.18,252.96 104.18,128.8
GND on Top, Bottom: 197.67,-1.71 197.67,122.45 76.94,122.45 76.94,-1.71
GND on Bottom: 80.59,136.26 79.79,136.26 78.54,135.01 78.54,134.41 78.89,134.06 79.69,134.06 80.59,134.96
GND on Bottom: 172.22,136.54 171.42,136.54 170.17,135.29 170.17,134.69 170.52,134.34 171.32,134.34 172.22,135.24
/ESC1&2_VM on Top: 31.6,140.36 31.6,132.56 41.7,132.56 41.7,136.26 36.15,136.26 34.4,138.16 34.4,140.36
/ESC1&2_VM on Top: 123.22,140.64 123.22,132.84 133.32,132.84 133.32,136.54 127.78,136.54 126.02,138.44 126.02,140.64
/ESC1&2_VM on Bottom: 57.9,10.13 57.9,2.33 47.8,2.33 47.8,6.03 53.35,6.03 55.1,7.93 55.1,10.13
/ESC1&2_VM on Bottom: 149.52,9.85 149.52,2.05 139.42,2.05 139.42,5.75 144.97,5.75 146.72,7.65 146.72,9.85
/ESC3_VM on Top: 134.22,136.14 133.62,135.54 133.62,132.74 137.02,132.74 137.02,140.64 134.22,140.64
/ESC3_VM on Top: 42.6,135.86 42,135.26 42,132.46 45.4,132.46 45.4,140.36 42.6,140.36
/ESC3_VM on Bottom: 138.52,5.35 139.12,4.75 139.12,1.95 135.72,1.95 135.72,9.85 138.52,9.85
/ESC3_VM on Bottom: 46.9,5.63 47.5,5.03 47.5,2.23 44.1,2.23 44.1,10.13 46.9,10.13
/StepDown_2315/BST on Top: 100.53,6.7 101.05,6.7 101.05,10 99.85,10 99.85,8.7 100.53,8.02
/StepDown_2315/BST on Top: 8.9,6.98 9.43,6.98 9.43,10.28 8.23,10.28 8.23,8.98 8.9,8.3
/StepDown_2315/BST on Bottom: 172.22,137.49 171.7,137.49 171.7,140.79 172.9,140.79 172.9,139.49 172.22,138.82
/StepDown_2315/BST on Bottom: 80.6,137.21 80.07,137.21 80.07,140.51 81.27,140.51 81.27,139.21 80.6,138.54
/StepDown_2315/FB on Top: 99.1,6.7 99.1,8.03 98.58,8.03 97.02,7.57 97.02,6.7
/StepDown_2315/FB on Top: 7.48,6.98 7.48,8.31 6.96,8.31 5.4,7.85 5.4,6.98
/StepDown_2315/FB on Bottom: 82.02,137.21 82.02,138.54 82.54,138.54 84.1,138.08 84.1,137.21
/StepDown_2315/FB on Bottom: 173.65,137.49 173.65,138.82 174.16,138.82 175.72,138.36 175.73,137.49
/StepDown_2315/Rt on Top: 6.57,8.66 7.68,10.42 10.4,10.4 10.4,9.33 16.8,9.33 16.8,11.03 14.7,11.03 12.3,13.43 6.6,13.43 5.22,12.05 5.23,8.66
/StepDown_2315/Rt on Top: 98.19,8.38 99.3,10.14 102.02,10.12 102.02,9.05 108.42,9.05 108.42,10.75 106.32,10.75 103.92,13.15 98.22,13.15 96.84,11.77 96.85,8.38
/StepDown_2315/Rt on Bottom: 174.56,139.17 173.45,140.93 170.72,140.92 170.72,139.84 164.32,139.84 164.32,141.54 166.42,141.54 168.82,143.94 174.52,143.94 175.9,142.56 175.89,139.17
/StepDown_2315/Rt on Bottom: 82.93,138.89 81.82,140.65 79.1,140.64 79.1,139.56 72.7,139.56 72.7,141.26 74.8,141.26 77.2,143.66 82.9,143.66 84.28,142.28 84.27,138.89
/StepDown_2315/SW on Top: 8.26,6.33 8.7,6.78 11.43,6.73 12.93,5.7 12.93,3.03 9.56,3.03 8.26,4.33
/StepDown_2315/SW on Top: 99.88,6.06 100.33,6.5 103.06,6.45 104.56,5.42 104.56,2.75 101.18,2.75 99.88,4.05
/StepDown_2315/SW on Bottom: 81.24,136.57 80.8,137.02 78.07,136.96 76.57,135.94 76.57,133.26 79.94,133.26 81.24,134.56
/StepDown_2315/SW on Bottom: 172.87,136.85 172.42,137.29 169.69,137.24 168.19,136.21 168.19,133.54 171.57,133.54 172.87,134.84
/Vb on Top: 7.63,6.03 7.63,4.83 7.33,4.53 7.33,1.6 10.63,1.6 10.63,2.97 9.59,2.97 8.13,4.43 8.13,6.03
/Vb on Top: 99.25,5.75 99.25,4.55 98.95,4.25 98.95,1.32 102.25,1.32 102.25,2.69 101.21,2.69 99.75,4.15 99.75,5.75
/Vb on Bottom: 81.87,136.26 81.87,135.06 82.17,134.76 82.17,131.83 78.87,131.83 78.87,133.2 79.91,133.2 81.37,134.66 81.37,136.26
/Vb on Bottom: 173.5,136.54 173.5,135.34 173.8,135.04 173.8,132.11 170.5,132.11 170.5,133.48 171.54,133.48 173,134.94 173,136.54
/VM on Top: 123.22,140.64 123.22,133.09 111.72,133.09 111.72,137.59 113.71,138.11 114.92,139.46 117.52,139.44 121.02,140.64
/VM on Top: 133.92,140.64 131.22,140.64 131.22,141.94 126.42,141.94 126.42,138.34 128.02,136.74 133.92,136.74
/VM on Top: 31.6,140.36 31.6,132.81 20.1,132.81 20.1,137.31 22.09,137.83 23.3,139.18 25.9,139.16 29.4,140.36
/VM on Top: 42.3,140.36 39.6,140.36 39.6,141.66 34.8,141.66 34.8,138.06 36.4,136.46 42.3,136.46
/VM on Top: 158.17,8.7 149.86,8.79 146.32,11.15 141.42,11.15 141.42,8.15 150.72,4.55 153.02,2.25 158.17,2.34
/VM on Top: 66.55,8.98 58.24,9.07 54.7,11.43 49.8,11.43 49.8,8.43 59.1,4.83 61.4,2.53 66.55,2.62
/VM on Bottom: 138.82,9.85 141.52,9.85 141.52,11.15 146.32,11.15 146.32,7.55 144.72,5.95 138.82,5.95
/VM on Bottom: 114.57,139.49 122.88,139.58 126.42,141.94 131.32,141.94 131.32,138.94 122.02,135.34 119.72,133.04 114.57,133.13
/VM on Bottom: 22.95,139.22 31.26,139.3 34.8,141.66 39.7,141.66 39.7,138.66 30.4,135.06 28.1,132.76 22.95,132.86
/VM on Bottom: 149.52,9.85 149.52,2.3 161.02,2.3 161.03,6.8 159.03,7.32 157.82,8.67 155.22,8.65 151.72,9.85
/VM on Bottom: 57.9,10.13 57.9,2.58 69.4,2.58 69.4,7.07 67.41,7.6 66.2,8.95 63.6,8.93 60.1,10.13
/VM on Bottom: 47.2,10.13 49.9,10.13 49.9,11.43 54.7,11.43 54.7,7.83 53.1,6.23 47.2,6.23

Small or netless copper shapes (teardrops, artwork), in the pictures only: 414 on Top, 414 on Bottom
